# Altium PCB roach2.PcbDoc (part 31 of 39)
Units mil, origin at the board's own origin, x right, y up, seen from the top; angles counter-clockwise.
Board outline 12007.87 x 9606.3 mil, 16 copper layers (L1_TOP, L2_G, L3_S, L4_G, L5_S, L6_P, L7_G, L8_R, L9_R, L10_P, L11_P, L12_S, L13_P, L14_S, L15_G, L16_BOT), stack 81.651 mil thick; 1568 components, 1918 nets, 9251 pads, 6741 vias.
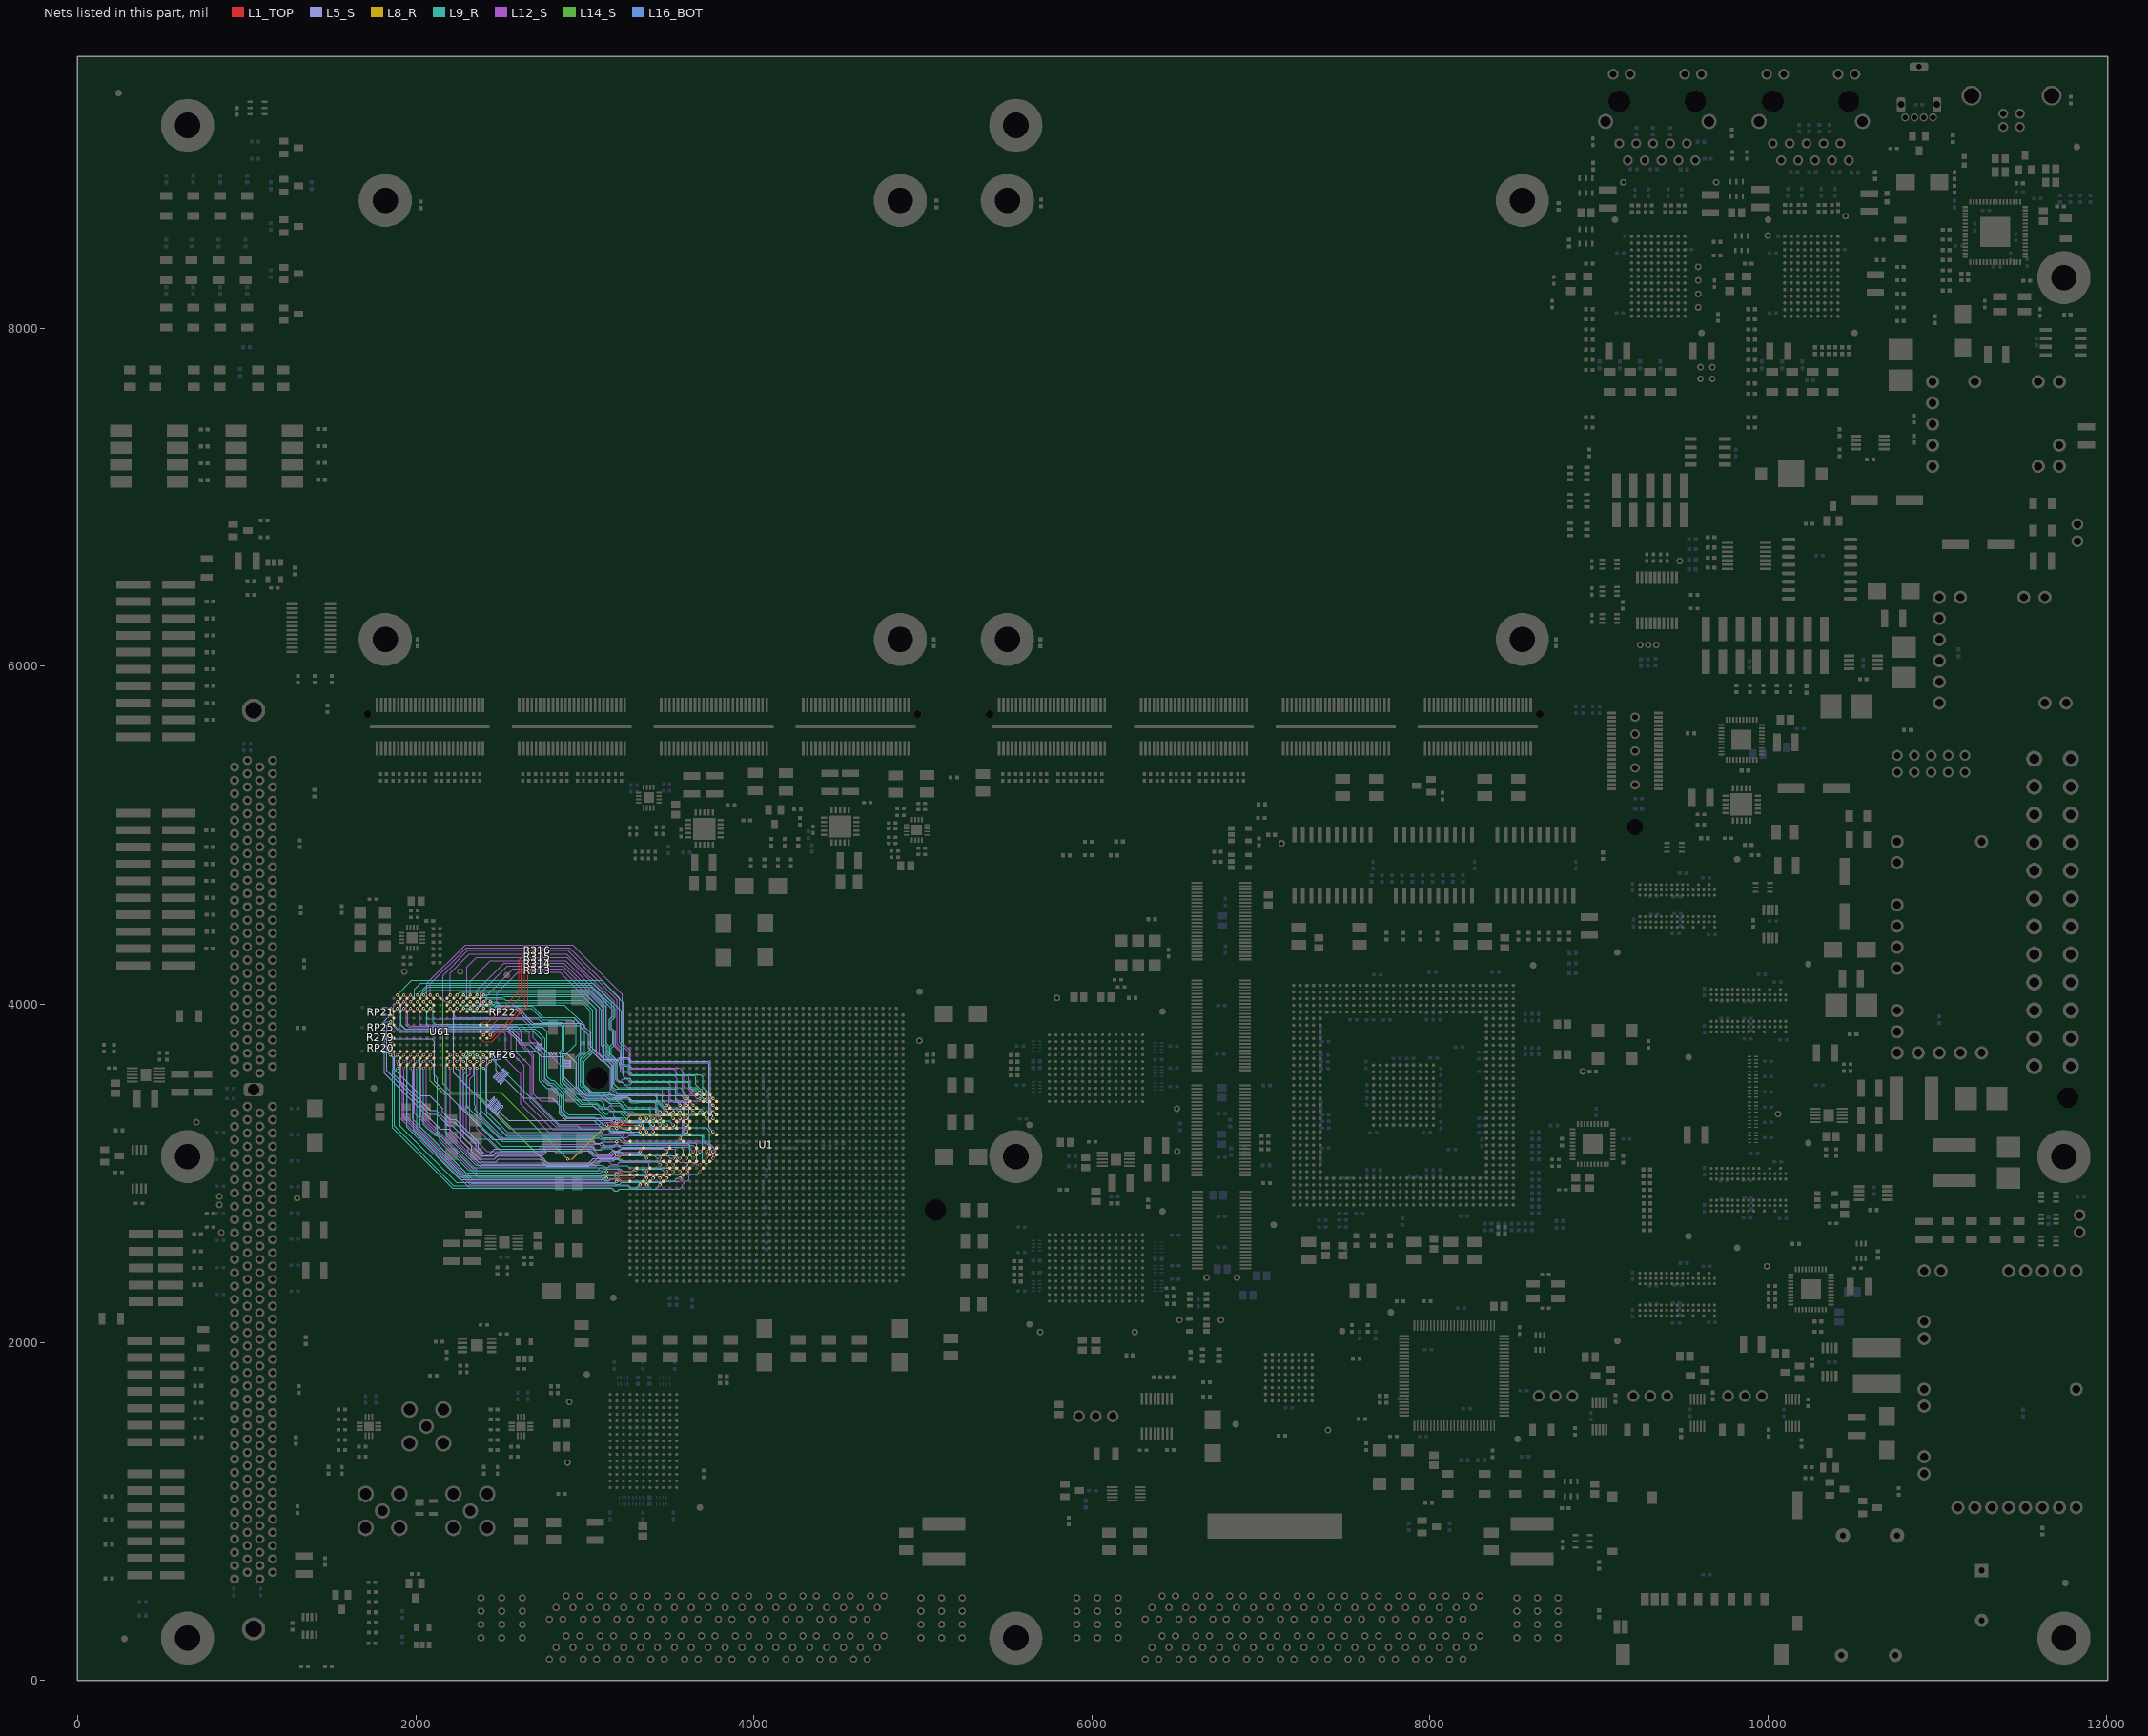
[diagram p45: the nets of this part, all layers, seen from the top]

## Via types
v1: diameter 19.4, hole 10, L1_TOP to L16_BOT, tented both sides, 3354 vias
v2: diameter 19.4, hole 10, L1_TOP to L16_BOT, 1954 vias
v3: diameter 19.4, hole 10, L1_TOP to L16_BOT, tented top, 429 vias
v4: diameter 18.6, hole 10, L1_TOP to L16_BOT, tented both sides, 311 vias
v5: diameter 59.06, hole 39.37, L1_TOP to L16_BOT, 217 vias
v6: diameter 19.4, hole 10.04, L1_TOP to L16_BOT, 125 vias
v7: diameter 19, hole 10, L1_TOP to L16_BOT, 93 vias
v8: diameter 19.4, hole 10, L1_TOP to L16_BOT, tented bottom, 80 vias
v9: diameter 25.98, hole 12.99, L1_TOP to L16_BOT, tented top, 55 vias
v10: diameter 20, hole 10, L1_TOP to L16_BOT, 53 vias
v11: diameter 59.06, hole 39.37, L1_TOP to L16_BOT, tented top, 44 vias
v12: diameter 20, hole 10, L1_TOP to L16_BOT, tented top, 16 vias
v13: diameter 19, hole 10, L1_TOP to L16_BOT, tented top, 5 vias
v14: diameter 25.98, hole 12.99, L1_TOP to L16_BOT, 4 vias
v15: diameter 50, hole 28, L1_TOP to L16_BOT, 1 vias

## Nets (pads, with @x,y where several pads share a name; then routed paths per layer and width w, separated by ;. In a path a pad name is that pad's centre, name@x,y a point inside that pad or via, vN(x,y) a via of type N, cw(c..) or ccw(c..) an arc to the next point about the centre after c; other vN are vias at no path point) (continued)
QDR3.A11: RP26.2 U1.AV20 U61.A9 | length 1923.7
  L1_TOP w5: U61.A9@2421.26,3720.47 v1(2440.95,3700.79) ; v1(3404.61,3246.5) 3423.98,3227.13 U1.AV20@3424.3,3226.81
  L5_S w3.8: v1(2440.95,3700.79) 2474.74,3666.99 2474.74,3608.24 2482.21,3600.77 cw(c2479.1,3597.66) 2482.21,3594.55 2460.15,3572.49 ; v1(3404.61,3246.5) 3404.61,3263.8 3389.01,3279.4 3389.01,3303.97 3383.35,3309.64 3206.05,3309.64 3194.54,3321.15 3153.83,3321.15 3147.99,3326.99 2892.99,3326.99 2857.99,3361.99 2857.99,3393.09 2806.09,3444.99 2637.99,3444.99 2530.99,3551.99 ; 2460.15,3566.26 cw(c2463.26,3569.37) 2460.15,3572.49 ; 2460.15,3566.26 cw(c2463.26,3569.37) 2460.15,3572.49 ; 2460.15,3566.26 ccw(c2463.26,3569.37) 2466.38,3566.26 ; 2460.15,3566.26 ccw(c2463.26,3569.37) 2466.38,3566.26 ; 2466.38,3566.26 2491.55,3591.44 2516.72,3616.61 cw(c2519.83,3613.5) 2522.94,3616.61 ; 2485.04,3541.37 ccw(c2488.15,3544.48) 2491.27,3541.37 ; 2485.04,3541.37 ccw(c2488.15,3544.48) 2491.27,3541.37 ; 2485.04,3541.37 cw(c2488.15,3544.48) 2485.04,3547.6 2535.39,3597.94 ; 2491.27,3541.37 2541.61,3591.72 cw(c2544.72,3588.61) 2547.83,3591.72 cw(c2544.72,3588.61) 2547.83,3585.5 2497.49,3535.15 ; 2497.49,3528.93 cw(c2500.6,3532.04) 2497.49,3535.15 ; 2497.49,3528.93 cw(c2500.6,3532.04) 2497.49,3535.15 ; 2497.49,3528.93 ccw(c2500.6,3532.04) 2503.71,3528.93 2526.78,3551.99 ; 2522.94,3610.39 ccw(c2519.83,3613.5) 2522.94,3616.61 ; 2522.94,3610.39 ccw(c2519.83,3613.5) 2522.94,3616.61 ; 2522.94,3610.39 2472.6,3560.04 ccw(c2475.71,3556.93) 2472.6,3553.82 ccw(c2475.71,3556.93) 2478.82,3553.82 2529.17,3604.16 ; 2526.78,3551.99 cw(c2528.88,3549.88) 2530.99,3551.99 ; 2526.78,3551.99 cw(c2528.88,3549.88) 2530.99,3551.99 ; 2529.17,3604.16 cw(c2532.28,3601.05) 2535.39,3604.16 ; 2529.17,3604.16 cw(c2532.28,3601.05) 2535.39,3604.16 ; 2535.39,3597.94 ccw(c2532.28,3601.05) 2535.39,3604.16 ; 2535.39,3597.94 ccw(c2532.28,3601.05) 2535.39,3604.16
  L16_BOT w5: v1(2440.95,3700.79) 2457.2,3700.79 2464.83,3693.15 RP26.2@2493.31,3693.15
QDR3.A12: RP21.1 U1.AY20 U61.R3 | length 2080.4
  L1_TOP w5: v1(1850.39,3976.38) U61.R3@1870.08,3956.69 ; v1(3325.87,3246.5) 3345.24,3227.13 U1.AY20@3345.56,3226.81
  L5_S w3.8: v1(1850.39,3976.38) 1865.99,3960.78 2208.99,3960.78 2222.99,3946.78 2222.99,3593.99 2552.99,3263.99 3162.99,3263.99 3180.49,3246.5 v1(3325.87,3246.5)
  L16_BOT w5: RP21.1@1812.68,3982.52 1838.46,3982.52 1844.61,3976.38 v1(1850.39,3976.38)
QDR3.A13: RP21.3 U1.AW23 U61.R4 | length 2298.2
  L1_TOP w5: v1(1850.39,3937.01) U61.R4@1870.08,3917.32 ; v1(3365.24,3089.01) U1.AW23@3384.93,3108.7
  L5_S w3.8: v1(1850.39,3937.01) 1814.99,3901.61 1814.99,3591.99 2143.99,3262.99 2198.99,3262.99 2310.99,3150.99 2310.99,3124.99 2367.99,3067.99 2473.99,3067.99 2489.99,3083.99 2733.99,3083.99 2774.99,3042.99 3023.99,3042.99 3054.99,3073.99 3170.68,3073.99 3181.62,3084.93 3192.93,3084.93 3217.99,3109.99 3344.26,3109.99 v1(3365.24,3089.01)
  L16_BOT w5: RP21.3@1812.68,3943.15 1819.83,3943.15 1825.99,3936.99 v1(1850.39,3937.01)
QDR3.A14: RP25.1 U1.BB23 U61.R5 | length 2096.4
  L1_TOP w5: v1(1850.39,3897.64) U61.R5@1870.08,3877.95 ; v2(3188.08,3108.7) U1.BB23@3266.82,3108.7
  L5_S w3.8: v1(1850.39,3897.64) 1827.99,3875.24 1827.99,3605.99 2082.99,3350.99 2123.99,3350.99 2193.99,3280.99 2214.99,3280.99 2330.99,3164.99 2330.99,3127.99 2374.99,3083.99 2464.99,3083.99 2487.99,3106.99 2736.99,3106.99 2785.99,3057.99 3019.99,3057.99 3048.99,3086.99 3166.37,3086.99 v2(3188.08,3108.7)
  L16_BOT w5: RP25.1@1812.68,3892.52 1819.52,3892.52 1824.99,3897.99 1850.04,3897.99 v1(1850.39,3897.64)
QDR3.A15: R279.1 U1.BB21 U61.R7 | length 1894.1
  L1_TOP w5: v1(1850.39,3779.53) U61.R7@1870.08,3799.21 ; v2(3188.08,3187.44) U1.BB21@3266.82,3187.44
  L5_S w3.8: v1(1850.39,3779.53) 1865.99,3795.13 2093.86,3795.13 2110.38,3778.6 2110.38,3544.6 2454.99,3199.99 3043.99,3199.99 3065.13,3178.86 3091.86,3178.86 3100.44,3187.44 v2(3188.08,3187.44)
  L16_BOT w5: R279.1@1812.68,3802.99 1826.93,3802.99 v1(1850.39,3779.53)
QDR3.A16: RP20.2 U1.AT22 U61.R8 | length 2136.9
  L1_TOP w5: v1(1850.39,3740.16) U61.R8@1870.08,3759.84 ; v1(3483.35,3128.38) U1.AT22@3503.04,3148.07
  L5_S w3.8: v1(1850.39,3740.16) 1854.83,3740.16 1854.83,3735.16 1874.16,3715.82 1874.16,3615.58 2029.75,3459.99 2082.99,3459.99 2158.99,3383.99 2158.99,3361.99 2201.99,3318.99 2235.99,3318.99 2370.99,3183.99 2370.99,3145.99 2399.99,3116.99 2438.99,3116.99 2464.99,3142.99 3019.99,3142.99 3050.99,3111.99 3140.99,3111.99 3164.99,3135.99 3178.09,3135.99 3181.62,3132.47 3206.47,3132.47 3222.99,3148.99 3462.74,3148.99 v1(3483.35,3128.38)
  L16_BOT w5: RP20.2@1812.68,3752.83 1837.71,3752.83 v1(1850.39,3740.16)
QDR3.A17: RP20.4 U1.AY22 U61.R9 | length 1942.8
  L1_TOP w5: v1(1850.39,3700.79) U61.R9@1870.08,3720.47 ; v1(3325.87,3128.38) U1.AY22@3345.56,3148.07
  L5_S w3.8: v1(1850.39,3700.79) 1851.2,3700.79 1865.99,3685.99 1865.99,3590.99 2084.99,3371.99 2122.99,3371.99 2189.99,3304.99 2226.99,3304.99 2355.99,3175.99 2355.99,3139.99 2391.99,3103.99 2454.99,3103.99 2473.99,3122.99 2768.99,3122.99 2779.77,3133.77 2817.67,3133.77 2826.72,3124.72 2979.26,3124.72 2988.32,3133.77 3017.67,3133.77 3050.45,3100.99 3158.31,3100.99 3181.99,3124.67 3322.16,3124.67 v1(3325.87,3128.38)
  L16_BOT w5: RP20.4@1812.68,3713.46 1837.71,3713.46 v1(1850.39,3700.79)
QDR3.A18: RP22.3 U1.AJ20 U61.A3 | length 2008.9
  L1_TOP w5: U61.A3@2421.26,3956.69 v1(2440.95,3976.38) ; v1(3758.94,3246.5) 3778.31,3227.13 U1.AJ20@3778.63,3226.81
  L5_S w3.8: v1(2440.95,3976.38) 2443.33,3973.99 2593.99,3973.99 2692.99,3874.99 2965.99,3874.99 3022.99,3817.99 3022.99,3740.99 3098.79,3665.19 3196.19,3665.19 3207.99,3676.99 3251.99,3676.99 3273.19,3655.8 3725.26,3655.8 3735.23,3645.82 3735.23,3621.06 3735.17,3621 3735.17,3270.27 v1(3758.94,3246.5)
  L16_BOT w5: v1(2440.95,3976.38) 2454.49,3962.83 RP22.3@2493.31,3962.83
QDR3.A19: RP26.1 U1.AW20 U61.A10 | length 2039
  L1_TOP w5: U61.A10@2421.26,3681.1 v1(2440.95,3661.42) ; v1(3365.24,3246.5) 3384.61,3227.13 U1.AW20@3384.93,3226.81
  L5_S w3.8: v1(2440.95,3661.42) 2418.99,3639.46 2418.99,3439.99 2431.63,3427.35 ; v1(3365.24,3246.5) 3345.99,3265.75 3345.99,3287.81 3332.33,3301.47 3206.06,3301.47 3194.54,3289.95 3181.62,3289.95 3159.57,3311.99 2546.99,3311.99 2500.08,3358.91 ccw(c2496.97,3355.8) 2493.86,3358.91 2484.59,3349.64 cw(c2481.48,3352.76) 2478.37,3349.64 cw(c2481.48,3352.76) 2478.37,3355.87 2490.74,3368.24 2515.92,3393.41 ccw(c2512.81,3396.52) 2515.92,3399.64 ; 2428.59,3399.42 ccw(c2431.7,3402.54) 2434.81,3399.42 ; 2428.59,3399.42 ccw(c2431.7,3402.54) 2434.81,3399.42 ; 2428.59,3399.42 cw(c2431.7,3402.54) 2428.59,3405.65 2440.96,3418.02 2466.14,3443.19 ccw(c2463.03,3446.31) 2466.14,3449.42 ccw(c2463.03,3446.31) 2459.91,3449.42 2437.85,3427.35 ; 2431.63,3427.35 ccw(c2434.74,3430.47) 2437.85,3427.35 ; 2431.63,3427.35 ccw(c2434.74,3430.47) 2437.85,3427.35 ; 2434.81,3399.42 2447.19,3411.8 2472.36,3436.97 ; 2441.03,3386.98 cw(c2444.15,3390.09) 2441.03,3393.2 ; 2441.03,3386.98 cw(c2444.15,3390.09) 2441.03,3393.2 ; 2441.03,3386.98 ccw(c2444.15,3390.09) 2447.26,3386.98 2459.63,3399.35 2484.8,3424.53 cw(c2487.92,3421.41) 2491.03,3424.53 cw(c2487.92,3421.41) 2491.03,3418.3 2465.85,3393.13 2453.48,3380.76 ccw(c2456.59,3377.65) 2453.48,3374.53 ccw(c2456.59,3377.65) 2459.7,3374.53 2497.25,3412.08 ; 2441.03,3393.2 2453.41,3405.58 2478.58,3430.75 ; 2465.92,3362.09 ccw(c2469.04,3365.2) 2472.15,3362.09 ; 2465.92,3362.09 ccw(c2469.04,3365.2) 2472.15,3362.09 ; 2465.92,3362.09 cw(c2469.04,3365.2) 2465.92,3368.31 ; 2465.92,3362.09 cw(c2469.04,3365.2) 2465.92,3368.31 ; 2465.92,3368.31 2478.3,3380.69 2503.47,3405.86 ; 2472.15,3362.09 2484.52,3374.46 2509.69,3399.64 ; 2472.36,3436.97 cw(c2475.47,3433.86) 2478.58,3436.97 ; 2472.36,3436.97 cw(c2475.47,3433.86) 2478.58,3436.97 ; 2478.58,3430.75 ccw(c2475.47,3433.86) 2478.58,3436.97 ; 2478.58,3430.75 ccw(c2475.47,3433.86) 2478.58,3436.97 ; 2497.25,3412.08 cw(c2500.36,3408.97) 2503.47,3412.08 ; 2497.25,3412.08 cw(c2500.36,3408.97) 2503.47,3412.08 ; 2503.47,3405.86 ccw(c2500.36,3408.97) 2503.47,3412.08 ; 2503.47,3405.86 ccw(c2500.36,3408.97) 2503.47,3412.08 ; 2509.69,3399.64 cw(c2512.81,3396.52) 2515.92,3399.64 ; 2509.69,3399.64 cw(c2512.81,3396.52) 2515.92,3399.64
  L16_BOT w5: v1(2440.95,3661.42) 2452.99,3673.46 RP26.1@2493.31,3673.46
QDR3.A20: RP22.4 U1.AJ18 U61.A2 | length 1964.9
  L1_TOP w5: U61.A2@2421.26,3996.06 v1(2440.95,4015.75) ; v1(3758.94,3325.24) 3778.31,3305.87 U1.AJ18@3778.63,3305.55
  L5_S w3.8: v1(2440.95,4015.75) 2477.24,4015.75 2506.99,3985.99 2597.99,3985.99 2694.99,3888.99 2975.99,3888.99 3034.99,3829.99 3034.99,3750.99 3112.99,3672.99 3192.52,3672.99 3205.52,3685.99 3256.99,3685.99 3279.02,3663.97 3731.03,3663.97 3743.34,3651.66 3743.34,3358.14 3758.94,3342.54 v1(3758.94,3325.24)
  L16_BOT w5: v1(2440.95,4015.75) 2474.17,3982.52 RP22.4@2493.31,3982.52
QDR3.BWN0: R313.1 U61.B7 | length 614.9
  L1_TOP w5: U61.B7@2381.57,3799.21 2400.79,3780 2450,3780 2665,3995 2665,4190 2675,4200 R313.1@2700.32,4200
QDR3.BWN1: R314.1 U61.A7 | length 590.8
  L1_TOP w5: U61.A7@2420.95,3799.21 2444.21,3799.21 2645,4000 2645,4220 2665,4240 R314.1@2700.32,4240
QDR3.BWN2: R315.1 U61.A5 | length 560.1
  L1_TOP w5: U61.A5@2420.95,3877.95 2452.95,3877.95 2625,4050 2625,4245 2660,4280 R315.1@2700.32,4280
QDR3.BWN3: R316.1 U61.B5 | length 609.9
  L1_TOP w5: U61.B5@2381.89,3877.95 2401.58,3897.64 2432.64,3897.64 2610,4075 2610,4260 2670,4320 R316.1@2700.32,4320
QDR3.D0: U1.AN24 U61.P10 | length 2411.3
  L1_TOP w5: v1(1889.76,3661.42) U61.P10@1909.45,3681.1 ; v1(3601.46,3049.64) U1.AN24@3621.15,3069.33
  L12_S w3.8: v1(1889.76,3661.42) 1889.76,3644.11 1905.36,3628.51 1905.36,3515.62 1907.59,3513.39 1907.59,3327.53 1907.02,3326.96 2317.99,2915.99 3154.99,2915.99 3174.73,2896.25 3194.54,2896.25 3206.42,2908.13 3560.76,2908.13 3577.69,2925.07 3577.69,2934.01 3598.99,2955.3 3607.93,2955.3 3617.06,2964.44 3617.06,3016.74 3601.46,3032.34 v1(3601.46,3049.64)
QDR3.D1: U1.BB27 U61.N11 | length 1817.2
  L1_TOP w5: v1(1929.13,3622.05) U61.N11@1948.82,3641.73 ; v2(3188.08,2951.22) U1.BB27@3266.82,2951.22
  L12_S w3.8: v1(1929.13,3622.05) 1929.99,3621.19 1929.99,3338.99 2327.99,2940.99 3177.85,2940.99 v2(3188.08,2951.22)
QDR3.D2: U1.BB26 U61.M11 | length 1778
  L1_TOP w5: v1(1968.5,3622.05) U61.M11@1988.19,3641.73 ; v2(3188.08,2990.59) U1.BB26@3266.82,2990.59
  L12_S w3.8: v1(1968.5,3622.05) 1966.99,3620.54 1979.99,3607.54 1979.99,3321.25 2334.25,2966.99 3103.05,2966.99 3122.56,2986.5 3183.99,2986.5 v2(3188.08,2990.59)
QDR3.D3: U1.AT26 U61.K10 | length 2015.7
  L1_TOP w5: v1(2047.24,3661.42) U61.K10@2066.93,3681.1 ; v1(3483.35,2970.9) U1.AT26@3503.04,2990.59
  L12_S w3.8: v1(2047.24,3661.42) 2030.99,3645.16 2030.99,3333.99 2366.99,2997.99 3086.99,2997.99 3114.87,3025.87 3190.11,3025.87 3221.31,2994.67 3459.58,2994.67 v1(3483.35,2970.9)
QDR3.D4: U1.AU24 U61.J11 | length 1712.9
  L1_TOP w5: v1(2086.61,3622.05) U61.J11@2106.3,3641.73 ; v1(3443.98,3049.64) U1.AU24@3463.67,3069.33
  L14_S w3.8: v1(2086.61,3622.05) 2086.61,3547.39 2166,3468 2366,3468 2772,3062 3076,3062 3098.93,3084.93 3213.07,3084.93 3228,3070 3423.63,3070 v1(3443.98,3049.64)
QDR3.D5: U1.AR24 U61.G11 | length 1865.6
  L1_TOP w5: U61.G11@2185.04,3641.73 v1(2204.73,3622.05) ; v1(3522.72,3049.64) U1.AR24@3542.41,3069.33
  L12_S w3.8: v1(2204.73,3622.05) 2204.73,3232.26 2383.99,3052.99 3061.99,3052.99 3093.93,3084.93 3194.54,3084.93 3206.43,3073.04 3374.93,3073.04 3380.99,3066.99 3505.37,3066.99 v1(3522.72,3049.64)
QDR3.D6: U1.AR23 U61.E10 | length 1852.9
  L1_TOP w5: U61.E10@2263.78,3681.1 v1(2283.47,3661.42) ; v1(3522.72,3089.01) U1.AR23@3542.41,3108.7
  L12_S w3.8: v1(2283.47,3661.42) 2299.07,3645.82 2299.07,3600.07 2283.99,3584.99 2283.99,3212.99 2393.99,3102.99 2415.99,3102.99 ; 2413.99,3102.99 2415.99,3102.99 ; v1(3522.72,3089.01) 3505.41,3089.01 3482.01,3112.41 3405.36,3112.41 3404.99,3112.78 3206.06,3112.78 3194.54,3124.3 3181.62,3124.3 3159.31,3101.99 3070.2,3101.99 3038.42,3133.77 2777.77,3133.77 2746.99,3102.99 2415.99,3102.99
QDR3.D7: U1.AL24 U61.D11 | length 1995.2
  L1_TOP w5: U61.D11@2303.15,3641.73 v1(2322.84,3622.05) ; v1(3680.2,3049.64) U1.AL24@3699.89,3069.33
  L12_S w3.8: v1(2322.84,3622.05) 2322.99,3621.89 2322.99,3589.99 2300.99,3567.99 2300.99,3223.99 2410.99,3113.99 ; 2408.99,3113.99 2410.99,3113.99 ; v1(3680.2,3049.64) 3662.9,3049.64 3647.3,3065.24 3563.8,3065.24 3538.32,3090.72 3538.32,3134.85 3529.18,3143.98 3206.05,3143.98 3194.54,3132.47 3175.47,3132.47 3152.99,3109.99 3079.99,3109.99 3045.99,3143.99 2770.99,3143.99 2740.99,3113.99 2410.99,3113.99
QDR3.D8: U1.AL22 U61.C11 | length 1819.6
  L1_TOP w5: U61.C11@2342.52,3641.73 v1(2362.21,3622.05) ; v1(3680.2,3128.38) U1.AL22@3699.89,3148.07
  L12_S w3.8: v1(2362.21,3622.05) 2358.99,3618.83 2361.99,3615.83 2361.99,3262.99 2479.99,3144.99 2727.99,3144.99 2755.06,3172.06 3085.56,3172.06 3093.29,3164.32 3168.99,3164.32 3176.14,3171.47 3197.77,3171.47 3201.25,3167.99 3640.6,3167.99 v1(3680.2,3128.38)
QDR3.D9: U1.AN25 U61.N10 | length 2308.1
  L1_TOP w5: v1(1929.13,3661.42) U61.N10@1948.82,3681.1 ; v1(3601.46,3010.27) U1.AN25@3621.15,3029.96
  L12_S w3.8: v1(1929.13,3661.42) 1913.53,3645.82 1913.53,3533.45 1920.99,3525.99 1920.99,3331.99 2320.99,2931.99 3256.99,2931.99 3273.05,2915.93 3371.7,2915.93 3380.84,2925.07 3380.84,2939.84 3391.99,2950.99 3563.99,2950.99 3568.3,2955.3 3568.56,2955.3 3578.99,2965.74 3578.99,2987.8 v1(3601.46,3010.27)
QDR3.D10: U1.AW27 U61.M9 | length 2023.4
  L1_TOP w5: v1(1968.5,3700.79) U61.M9@1988.19,3720.47 ; v1(3365.24,2931.53) U1.AW27@3384.93,2951.22
  L12_S w3.8: v1(1968.5,3700.79) 1950.99,3683.28 1950.99,3332.99 2328.68,2955.3 3145.3,2955.3 3159.99,2969.99 3201.99,2969.99 3220.99,2950.99 3345.78,2950.99 v1(3365.24,2931.53)
QDR3.D11: U1.AU26 U61.L9 | length 2042.5
  L1_TOP w5: v1(2007.87,3700.79) U61.L9@2027.56,3720.47 ; v1(3443.98,2970.9) U1.AU26@3463.67,2990.59
  L12_S w3.8: v1(2007.87,3700.79) 1991.99,3684.9 1991.99,3354.99 2368.99,2977.99 3094.99,2977.99 3111.67,2994.67 3170.1,2994.67 3181.62,3006.19 3194.54,3006.19 3214.23,2986.5 3428.38,2986.5 v1(3443.98,2970.9)
QDR3.D12: U1.AW25 U61.J9 | length 1902.2
  L1_TOP w5: v1(2086.61,3700.79) U61.J9@2106.3,3720.47 ; v1(3365.24,3010.27) U1.AW25@3384.93,3029.96
  L12_S w3.8: v1(2086.61,3700.79) 2062.84,3677.02 2062.84,3320.14 2367.99,3014.99 3073.99,3014.99 3092.99,3033.99 3126.99,3033.99 3127.31,3033.67 3197.43,3033.67 3216.74,3014.36 3307.9,3014.36 3319.41,3025.87 3332.33,3025.87 3347.93,3010.27 v1(3365.24,3010.27)
QDR3.D13: U1.AR25 U61.G10 | length 1973.6
  L1_TOP w5: U61.G10@2185.04,3681.1 v1(2204.73,3661.42) ; v1(3522.72,3010.27) U1.AR25@3542.41,3029.96
  L12_S w3.8: v1(2204.73,3661.42) 2176.99,3633.68 2176.99,3243.99 2381.99,3038.99 3064.99,3038.99 3099.04,3073.04 3138.72,3073.04 3158.03,3053.73 3194.54,3053.73 3206.05,3065.24 3371.7,3065.24 3380.84,3056.11 3380.84,3041.14 3390.99,3030.99 3502,3030.99 v1(3522.72,3010.27)
QDR3.D14: U1.AU23 U61.F9 | length 1827
  L1_TOP w5: U61.F9@2224.41,3720.47 v1(2244.1,3700.79) ; v1(3443.98,3089.01) U1.AU23@3463.67,3108.7
  L12_S w3.8: v1(2244.1,3700.79) 2267.87,3677.02 2267.87,3615.58 2267.99,3615.46 2267.99,3192.92 2397.99,3062.92 3048.92,3062.92 3079.1,3093.1 3194.54,3093.1 3206.05,3104.61 3411.07,3104.61 3426.67,3089.01 v1(3443.98,3089.01)
QDR3.D15: U1.AM22 U61.D10 | length 1911.8
  L1_TOP w5: U61.D10@2303.15,3681.1 v1(2322.84,3661.42) ; v1(3640.83,3128.38) U1.AM22@3660.52,3148.07
  L12_S w3.8: v1(2322.84,3661.42) 2342.99,3641.26 2342.99,3581.99 2318.99,3557.99 2318.99,3232.23 2422.23,3128.99 2736.99,3128.99 2766.99,3158.99 3047.99,3158.99 3066.13,3140.86 3085.56,3140.86 3101.22,3156.52 3174.47,3156.52 3181.62,3163.67 3194.54,3163.67 3202.22,3155.99 3613.23,3155.99 v1(3640.83,3128.38)
QDR3.D16: U1.AK23 U61.C9 | length 1942.5
  L1_TOP w5: U61.C9@2342.52,3720.47 v1(2362.21,3700.79) ; v1(3719.57,3089.01) U1.AK23@3739.26,3108.7
  L12_S w3.8: v1(2362.21,3700.79) 2380.99,3682 2380.99,3330.06 2500.99,3210.06 3084.56,3210.06 3091.57,3203.04 3203.68,3203.04 3226.73,3179.99 3718.99,3179.99 3740,3158.98 3740,3126.75 3719.57,3106.32 v1(3719.57,3089.01)
QDR3.D17: U1.AJ23 U61.B9 | length 1917.2
  L1_TOP w5: U61.B9@2381.89,3720.47 v1(2401.58,3700.79) ; v1(3758.94,3089.01) U1.AJ23@3778.63,3108.7
  L12_S w3.8: v1(2401.58,3700.79) 2421.99,3680.37 2421.99,3339.99 2535.99,3225.99 3207.99,3225.99 3242.46,3191.53 3721.99,3191.53 3774.54,3138.97 3774.54,3121.92 3758.94,3106.32 v1(3758.94,3089.01)
QDR3.D18: U1.AR17 U61.B3 | length 1943.9
  L1_TOP w5: U61.B3@2381.89,3956.69 v1(2401.58,3976.38) ; v1(3522.72,3364.61) U1.AR17@3542.41,3344.92
  L12_S w3.8: v1(2401.58,3976.38) 2401.99,3976.79 2401.99,3991.98 2417.18,4007.16 2417.18,4049.18 2576.99,4208.99 2861.99,4208.99 3087.99,3982.99 3087.99,3708.99 3159.8,3637.18 3159.8,3508.62 3201.3,3467.12 3424.87,3467.12 3428.38,3463.6 3428.38,3419.6 3467.75,3380.23 3467.75,3358.14 3476.89,3349.01 3489.81,3349.01 3505.41,3364.61 v1(3522.72,3364.61)
QDR3.D19: U1.AP17 U61.C3 | length 2039.2
  L1_TOP w5: U61.C3@2342.52,3956.69 v1(2362.21,3976.38) ; v1(3562.09,3364.61) U1.AP17@3581.46,3345.24
  L12_S w3.8: v1(2362.21,3976.38) 2363.38,3976.38 2380.99,3993.99 2380.99,4066.99 2540.99,4226.99 2869.99,4226.99 3104.99,3991.99 3104.99,3710.99 3170.99,3644.99 3170.99,3530.99 3203.3,3498.69 3446.99,3498.69 3447.36,3498.32 3450.44,3498.32 3459.58,3489.18 3459.58,3405.68 3485.06,3380.21 3538.32,3380.21 3553.92,3364.61 v1(3562.09,3364.61)
QDR3.D20: U1.AU17 U61.D2 | length 1966.2
  L1_TOP w5: U61.D2@2303.15,3996.06 v1(2322.84,4015.75) ; v1(3443.98,3364.61) U1.AU17@3463.67,3344.92
  L12_S w3.8: v1(2322.84,4015.75) 2338.99,3999.59 2338.99,3969.99 2351.99,3956.99 2462.99,3956.99 2478.99,3972.99 2478.99,4064.99 2602.99,4188.99 ; 2600.99,4188.99 2602.99,4188.99 ; v1(3443.98,3364.61) 3420.21,3388.38 3420.21,3410.44 3405.66,3424.99 3279.99,3424.99 3250.99,3453.99 3175.99,3453.99 3152,3477.98 3152,3619.98 3070.99,3700.99 3070.99,3970.99 2852.99,4188.99 2602.99,4188.99
QDR3.D21: U1.AU18 U61.F3 | length 1791.1
  L1_TOP w5: U61.F3@2224.41,3956.69 v1(2244.1,3976.38) ; v1(3443.98,3325.24) 3463.35,3305.87 U1.AU18@3463.67,3305.55
  L12_S w3.8: v1(2244.1,3976.38) 2242.38,3976.38 2228.5,3962.5 2228.5,3930.55 2237.63,3921.41 2561.41,3921.41 2562.99,3922.99 2937.99,3922.99 2977.99,3882.99 2977.99,3544.99 3040.99,3481.99 3098.99,3481.99 3141.99,3438.99 3180.99,3438.99 3239.78,3380.21 3417.35,3380.21 3424.99,3372.57 3424.99,3344.23 v1(3443.98,3325.24)
QDR3.D22: U1.AL15 U61.G2 | length 2459.1
  L1_TOP w5: U61.G2@2185.04,3996.06 v1(2204.73,4015.75) ; v1(3680.2,3443.35) 3699.57,3423.98 U1.AL15@3699.89,3423.66
  L12_S w3.8: v1(2204.73,4015.75) 2204.48,4015.99 2176.99,4015.99 2161.99,4030.99 2161.99,4171.99 2308.99,4318.99 2897.99,4318.99 3190.99,4025.99 3190.99,3764.99 3227.53,3728.45 3227.53,3614.05 3236.67,3604.91 3264.98,3604.91 3270.9,3598.99 3270.9,3594.37 3280.04,3585.23 3536.76,3585.23 3544.99,3576.99 3555.57,3576.99 3555.63,3577.06 3568.56,3577.06 3577.69,3567.92 3577.69,3521.29 3577.99,3520.99 3577.99,3484.13 3603.17,3458.95 3647.3,3458.95 3662.9,3443.35 v1(3680.2,3443.35)